# Altium PCB CAPACITOR_CHARGER.PcbDoc
Units mm, origin at the board's own origin, x right, y up, seen from the top; angles counter-clockwise.
Board outline 65 x 65 mm, 2 copper layers (Top Layer, Bottom Layer), stack 0.871 mm thick; 48 components, 36 nets, 148 pads, 23 vias.
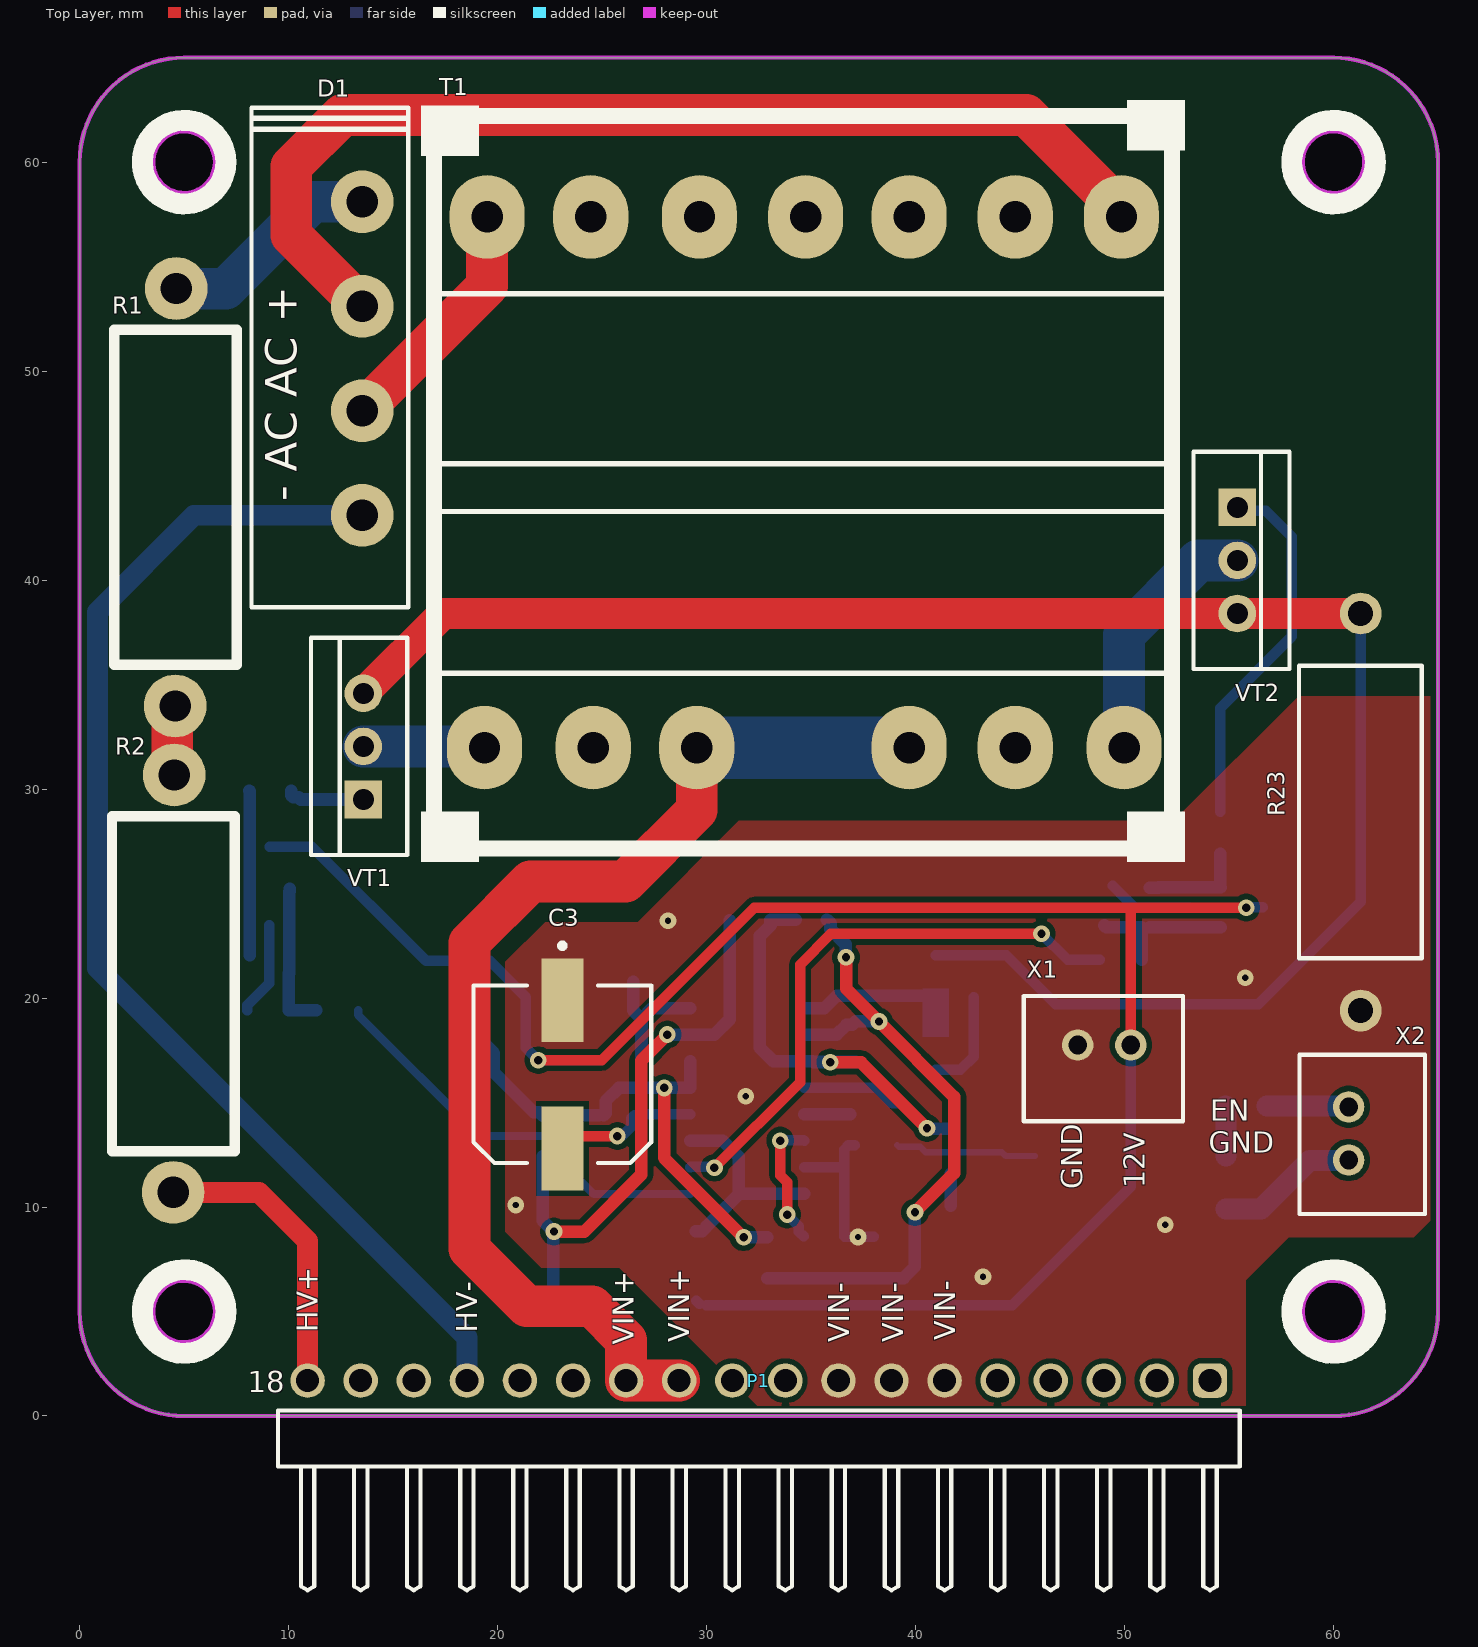
[diagram p0: Top Layer view]
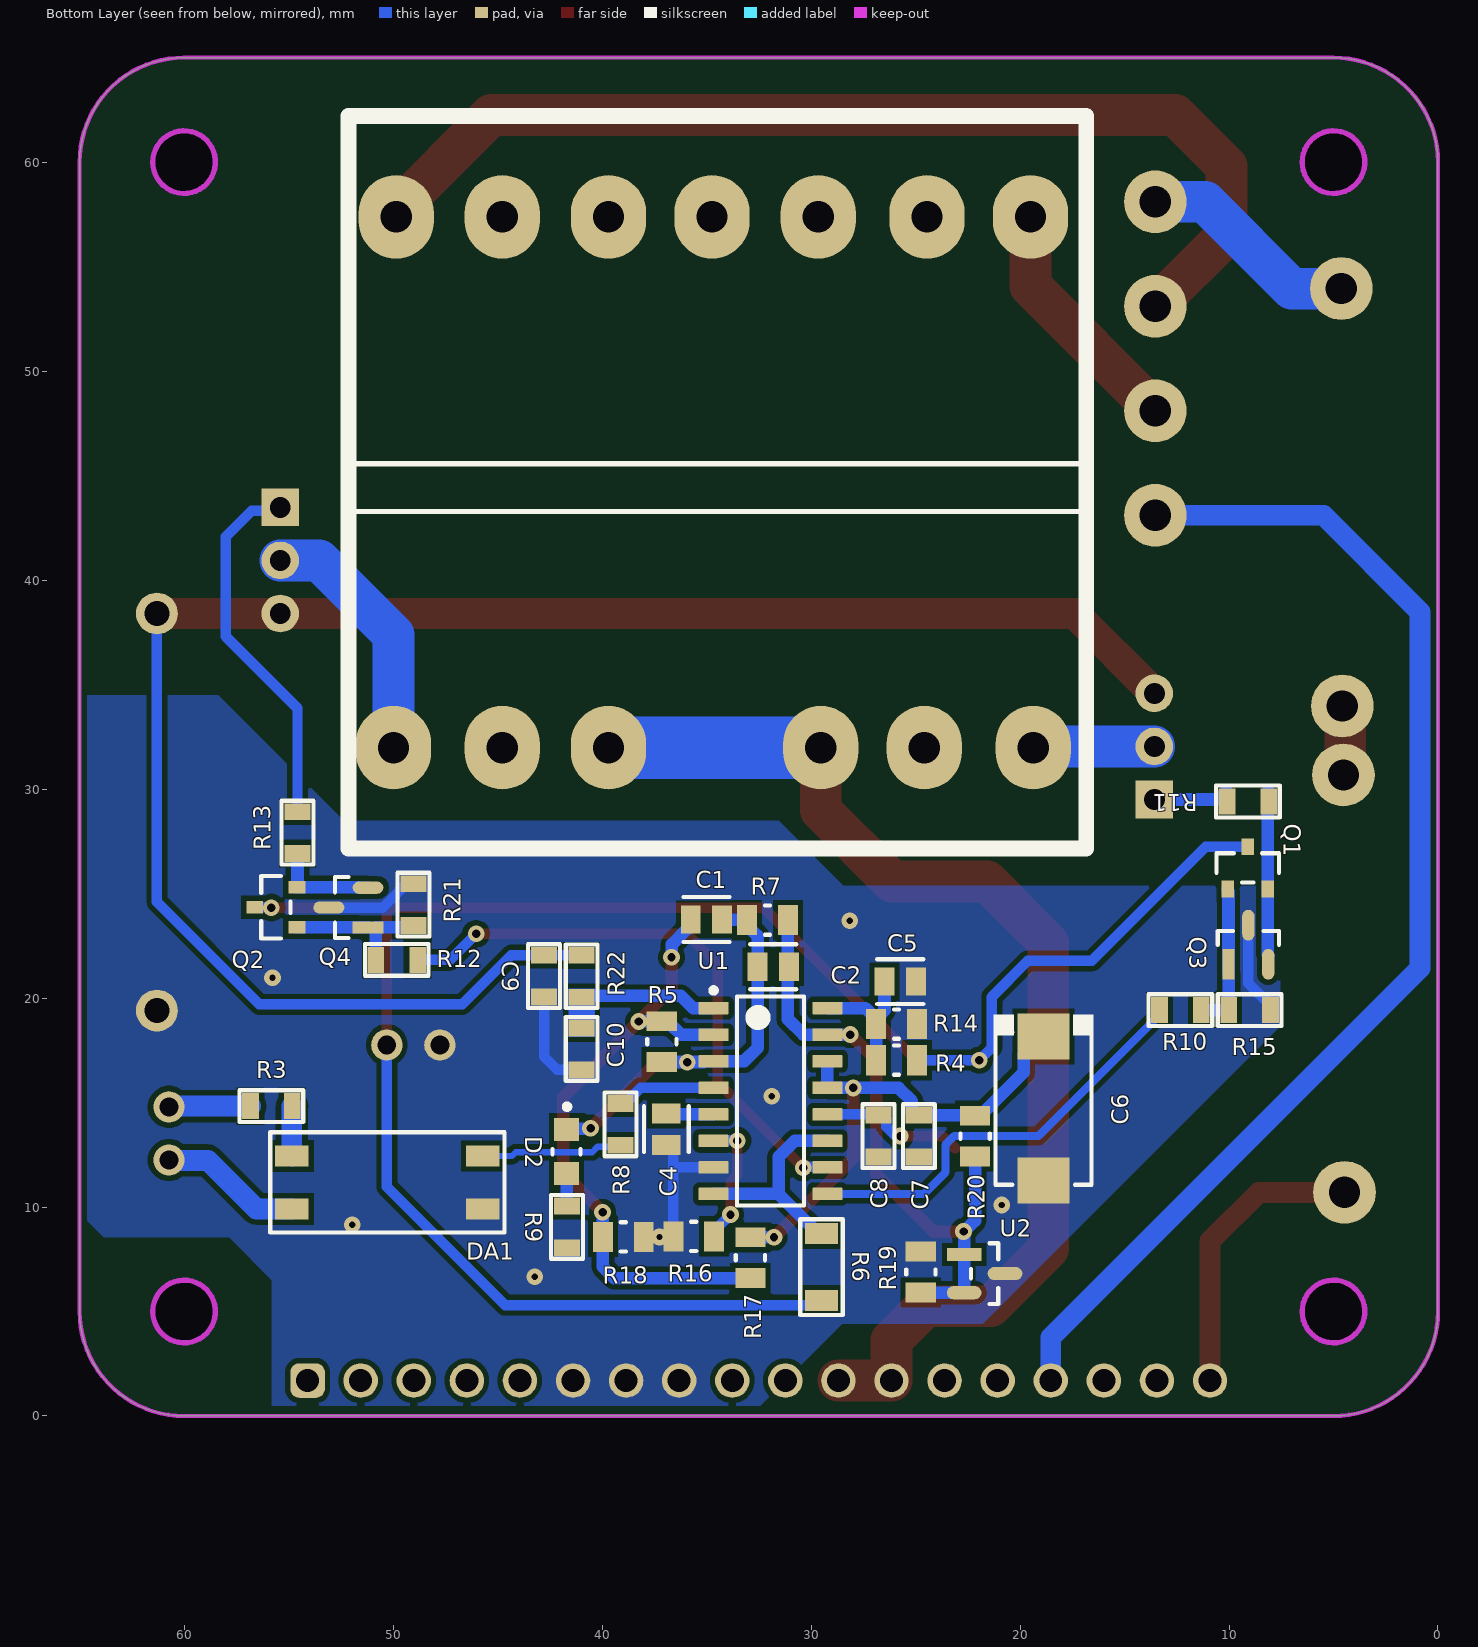
[diagram p1: Bottom Layer view, seen from below]
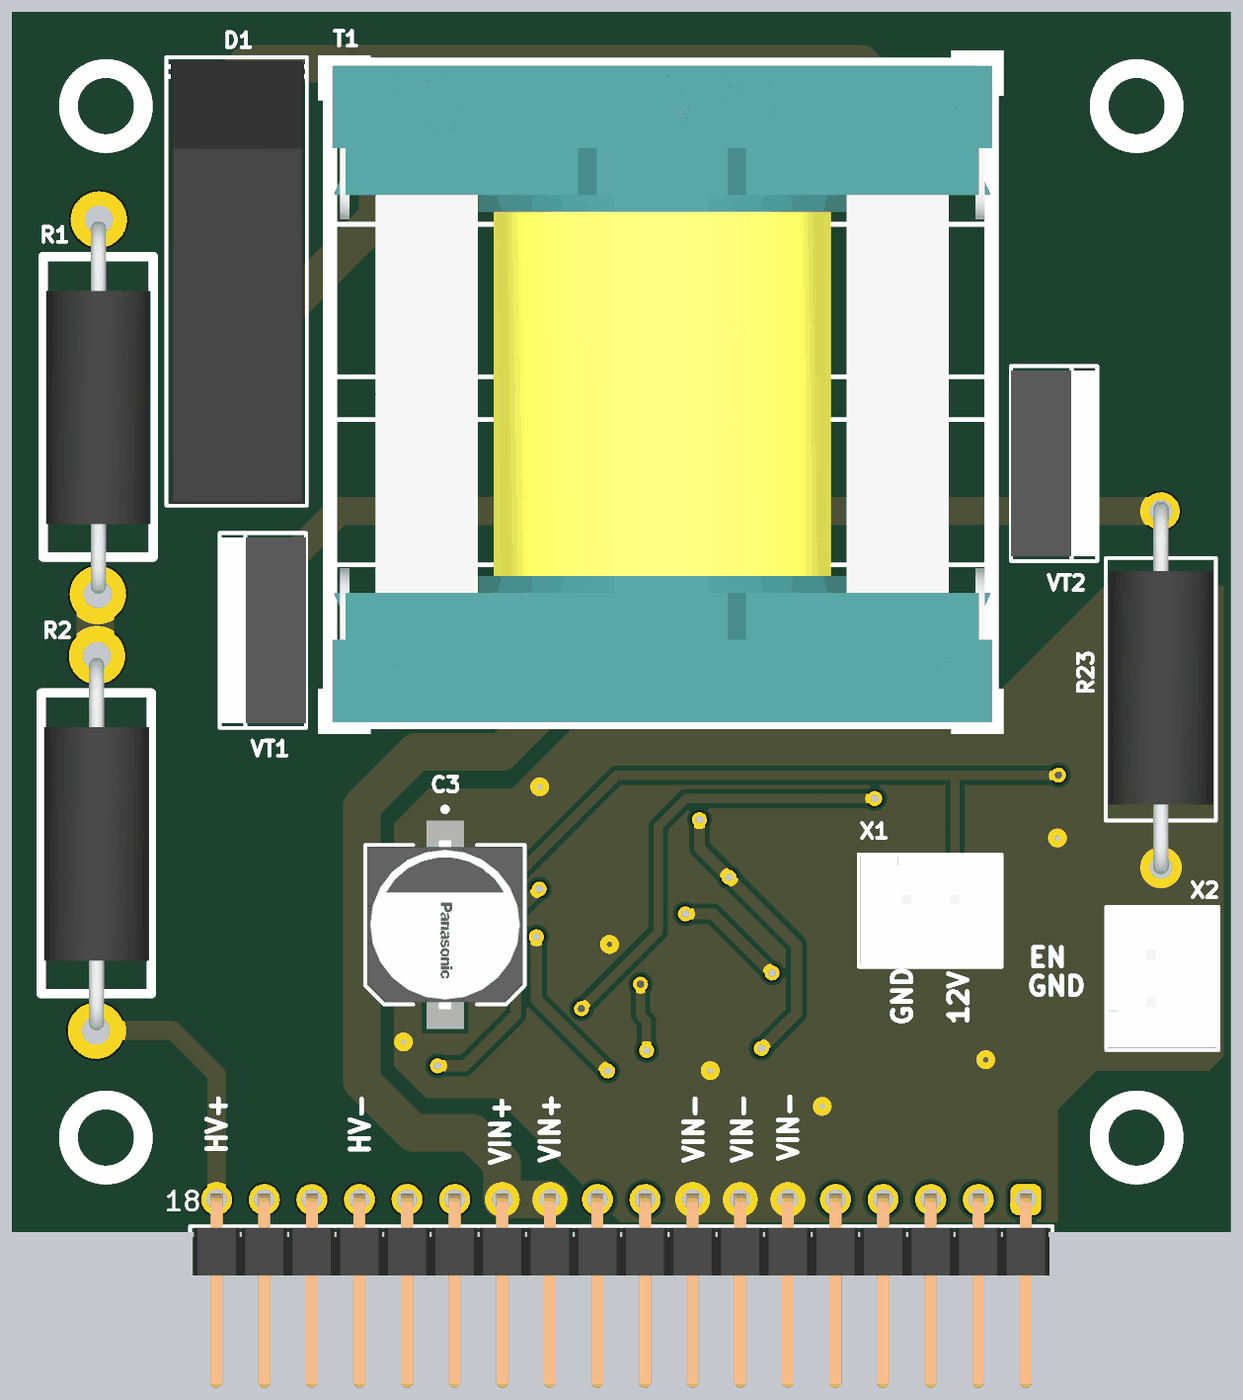
[diagram p2: 3D render of the assembled board from above, using the file's embedded part models]
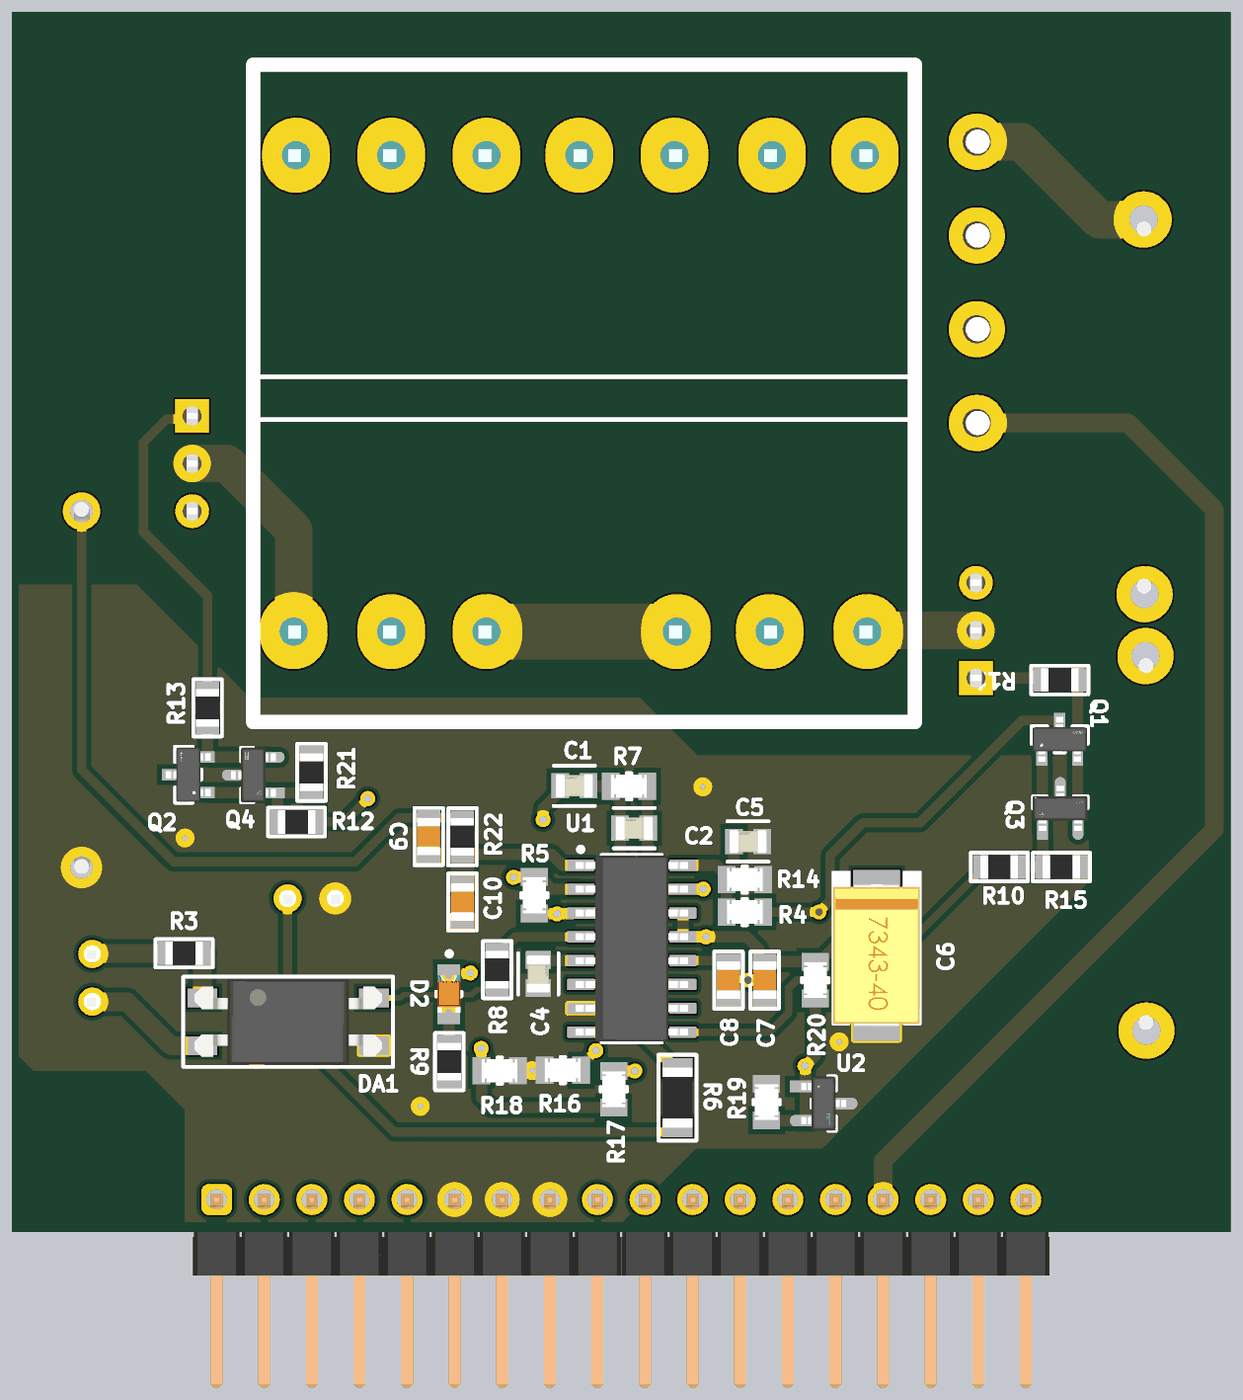
[diagram p3: 3D render of the assembled board from below, using the file's embedded part models]

## Layer stack, top to bottom
Top Solder: solder mask 0.0102, Solder Resist, Dk 3.5
Top Layer: signal copper 0.0356
Dielectric 1: dielectric 0.8, FR-4, Dk 4.8
Bottom Layer: signal copper 0.0356
Bottom Solder: solder mask 0.0102, Solder Resist, Dk 3.5

## Board outline
0,5 0,60.025 0,60 cw(c5,60) 5,65 60.025,65 60,65 cw(c60,60) 65,60 65,60.025 65,4.975 65,5 cw(c60,5) 60,0 5,0 cw(c5,5)
cut-out: 3.5,60 ccw(c5,60) 5,58.5 ccw(c5,60) 6.5,60 ccw(c5,60) 5,61.5 ccw(c5,60)
cut-out: 58.5,60 ccw(c60,60) 60,58.5 ccw(c60,60) 61.5,60 ccw(c60,60) 60,61.5 ccw(c60,60)
cut-out: 58.5,5 ccw(c60,5) 60,3.5 ccw(c60,5) 61.5,5 ccw(c60,5) 60,6.5 ccw(c60,5)
cut-out: 3.5,5 ccw(c5,5) 5,3.5 ccw(c5,5) 6.5,5 ccw(c5,5) 5,6.5 ccw(c5,5)

## Design rules (kind name [scope] priority, off if disabled: settings)
Clearance [All] p1: gap=0.254 ignorepadtopadclearanceinfootprint=FALSE except(0: Arc-Hole Track-Hole SMDPad-Hole THPad-Hole Via-Hole Fill-Hole Poly-Hole Region-Hole Text-Hole)
Height [All] p1: minheight=0 maxheight=101.6 prefheight=12.7
PlaneConnect [All] p1: planeconnectstyle=Direct reliefexpansion=0.508 reliefentries=4 reliefconductorwidth=0.254 reliefairgap=0.254
PolygonConnect [All] p1: connectstyle=Direct reliefconductorwidth=0.254 reliefentries=4 polygonreliefangle="90 Angle" airgapwidth=0.254
RoutingVias [All] p1: holewidth=0.711 width=1.27 viastyle="Through Hole" minholewidth=0.2 minwidth=0.5 maxholewidth=0.711 maxwidth=1.27
SolderMaskExpansion [All] p1: expansion=0.102 istentingtop=FALSE
Width [All] p1: maxlimit=3 minlimit=0.254 preferedwidth=1 minimp=50.000000 maximp=50.000000 favimp=50.000000
28 further rules are at their usual default settings.

## Components (designator, comment, footprint, x,y, rotation, side; value= is the part's Value field where it differs from the comment)
C1 "100nF" FP-C0805C-DN-MFG 35.006,23.757 r180 bottom value="10,000 pF"
C2 "100nF" FP-C0805C-DN-MFG 31.805,21.496 r180 bottom value="10,000 pF"
C3 "470uF_25V" CAP_SMD_Size_G 23.1,16.35 r270 top
C4 "C0805C102K5RACTU" FP-C0805C-DN-MFG 36.925,13.725 r270 bottom value="1,000 pF"
C5 "100nF" FP-C0805C-DN-MFG 25.735,20.785 r180 bottom value="10,000 pF"
C6 "100uF" CAP-TAN-D 18.877,14.714 r270 bottom
C7 "0.1uF" CAP-0805 24.846,13.393 r90 bottom
C8 "0.01uF" CAP-0805 26.776,13.393 r90 bottom
C9 "0.47uF" CAP-0805 42.775,21.05 r90 bottom
C10 "470 pF" CAP-0805 40.977,17.563 r90 bottom
D1 "RS40X" RS40X 12.025,50.6 r90 top locked
D2 "151031YS06000" LED_RED 41.7,12.65 r270 bottom
DA1 "PC817" 4-SMD 50.275,11.175 r180 bottom
P1 "61301811021" 61301811021 32.5,-1.075 r0 top locked
Q1 "SS8050-G" FP-SS8050-G-MFG 9.101,26.23 r90 bottom
Q2 "SS8050-G" FP-SS8050-G-MFG 55.609,24.346 r0 bottom
Q3 "MMSS8550-H-TP" FP-SOT-23-IPC_B 9.075,22.551 r90 bottom
Q4 "MMSS8550-H-TP" FP-SOT-23-IPC_B 52.135,24.33 r0 bottom
R1 "100" RES-2W#1 4.6,43.85 r90 top
R2 "100" RES-2W#1 4.5,20.575 r90 top
R3 "1K" RES-0805 55.825,14.825 r180 bottom
R4 "10K" FP-CRCW0805-e3-MFG 25.912,17.026 r0 bottom
R5 "200K" FP-CRCW0805-e3-MFG 37.139,17.915 r270 bottom
R6 "10 OMH" RES-1206 29.5,7.125 r270 bottom
R7 "200K" FP-CRCW0805-e3-MFG 32.085,23.731 r180 bottom
R8 "10K" RES-0805 39.12,13.952 r90 bottom
R9 "220" RES-0805 41.675,9.05 r90 bottom
R10 "470" RES-0805 12.326,19.423 r0 bottom
R11 "10" RES-0805 9.1,29.4 r0 bottom
R12 "470" RES-0805 49.825,21.825 r180 bottom
R13 "10" RES-0805 54.574,27.912 r90 bottom
R14 "2K" FP-CRCW0805-e3-MFG 25.912,18.753 r180 bottom
R15 "2K" RES-0805 9.015,19.423 r0 bottom
R16 "12K" FP-CRCW0805-e3-MFG 35.615,8.593 r0 bottom
R17 "2K" FP-CRCW0805-e3-MFG 32.9,7.575 r90 bottom
R18 "2K" FP-CRCW0805-e3-MFG 38.984,8.567 r180 bottom
R19 "2K" FP-CRCW0805-e3-MFG 24.744,6.891 r90 bottom
R20 "2K" FP-CRCW0805-e3-MFG 22.153,13.393 r90 bottom
R21 "2K" RES-0805 49.025,24.475 r270 bottom locked
R22 "1K" RES-0805 40.977,21.043 r90 bottom
R23 "" RES-2W#2 61.3,28.9 r90 top locked
T1 "ETD29" TRANS_ETD_29 35.375,44.425 r90 top
U1 "TL494CDR" D0016A_N 31.939,15.07 r180 bottom locked
U2 "TL431" TL431_SOT-23-3(A) 21.696,6.815 r180 bottom
VT1 "MOSFET-N-GDS" TO-220-3 13.575,32.04 r90 top locked
VT2 "MOSFET-N-GDS" TO-220-3 55.4,40.94 r270 top
X1 "CONN-2-PIN" XH2- 50.3,17.75 r180 top
X2 "CONN-2-PIN" XH2- 60.725,14.79 r270 top locked

## Footprints (in the part's own frame and the unit in brackets; to place one, negate y for a bottom-side part, rotate by r counter-clockwise, add the part's x,y. Pads: shape width x height; smd on the part's side, far side on the other; paste and mask are expansions set on the pad)
4-SMD [mm]
  rect 1.6x1 smd: 1(-4.575,1.27) 2(-4.575,-1.27) 3(4.575,-1.27) 4(4.575,1.27)
  silkscreen extent -5.6,-2.4 5.6,2.4, body extent -5,-2.29 5,2.29, height 3.85
61301811021 [mm] "Pin Header, pitch 2.54 mm, THT, Angled, single row, 18p"
  rrect50% 1.65x1.65 hole 1.1: 1(21.59,2.77)
  round 1.65 hole 1.1: 2(19.05,2.77) 3(16.51,2.77) 4(13.97,2.77) 5(11.43,2.77) 6(8.89,2.77) 7(6.35,2.77) 8(3.81,2.77) 9(1.27,2.77) 10(-1.27,2.77) 11(-3.81,2.77) 12(-6.35,2.77) 13(-8.89,2.77) 14(-11.43,2.77) 15(-13.97,2.77) 16(-16.51,2.77) 17(-19.05,2.77) 18(-21.59,2.77)
  silkscreen extent -23.01,-7.27 23.01,1.35, body extent -22.86,-7.27 22.86,3.09, height 2.58
CAP-0805 [mm]
  rect 0.8x1.25 smd mask+0.015: 1(-1,0) 2(1,0)
  silkscreen extent -1.52,-0.76 1.52,0.76, body extent -1,-0.62 1,0.63, height 0.8
CAP-TAN-D [mm]
  rect 2.2x2.5 smd: 1(-3.45,0) 2(3.45,0)
  silkscreen extent -4.5,-2.4 3.65,2.4, body extent -3.8,-2.3 3.8,2.3, height 4
CAP_SMD_Size_G [mm]
  rect 4x2 smd paste+0 mask+0: 1(3.55,0) 2(-3.55,0)
  silkscreen extent -6.27,-4.25 4.25,4.25, body extent -5.8,-4.5 5.8,4.5, height 0.25
D0016A_N [mm] "SOIC, 16-Leads, Body 10x4mm, Pitch 1.27mm, IPC Medium Density"
  rrect17% 1.45x0.6 smd: 1(-2.725,4.445) 2(-2.725,3.175) 3(-2.725,1.905) 4(-2.725,0.635) 5(-2.725,-0.635) 6(-2.725,-1.905) 7(-2.725,-3.175) 8(-2.725,-4.445) 9(2.725,-4.445) 10(2.725,-3.175) 11(2.725,-1.905) 12(2.725,-0.635) 13(2.725,0.635) 14(2.725,1.905) 15(2.725,3.175) 16(2.725,4.445)
  silkscreen extent -2.85,-5 1.6,5.42, body extent -3,-4.95 3,4.95, height 1.59
FP-C0805C-DN-MFG [mm]
  rect 0.95x1.35 smd paste+0 mask+0: 1(-0.75,0) 2(0.75,0)
  silkscreen extent -1.1,-1.07 1.1,1.07, body extent -1,-0.63 1,0.63, height 0.88
FP-CRCW0805-e3-MFG [mm]
  rect 0.95x1.45 smd paste+0 mask+0: 1(-0.975,0) 2(0.975,0)
  silkscreen extent -0.13,-0.7 0.13,0.7, body extent -1,-0.63 1,0.63, height 0.5
FP-SOT-23-IPC_B [mm]
  rect 1.474x0.585 smd paste+0 mask+0: 1(-0.935,0.95)
  rrect100% 1.474x0.585 smd paste+0 mask+0: 2(-0.935,-0.95) 3(0.935,0)
  silkscreen extent 0,-1.46 0.65,1.46, body extent -1.2,-1.46 1.2,1.46, height 1.25
FP-SS8050-G-MFG [mm]
  rect 0.8x0.6 smd paste+0 mask+0: 1(-1.01,0.95) 2(-1.01,-0.95) 3(1.01,0)
  silkscreen extent -0.7,-1.5 0.7,1.5, body extent -1.21,-1.45 1.21,1.45, height 1.15
LED_RED [mm]
  rect 1.1x1.2 smd paste+0 mask+0: 1(-1.05,0) 2(1.05,0)
  silkscreen extent -2.27,-0.67 0.13,0.67, body extent -1,-0.63 1,0.63, height 0.8
RES-2W#1 [mm]
  round 3 hole 1.5: 1(-9.875,0.025) 2(10.1,-0.025)
  silkscreen extent -7.9,-2.93 8.13,2.95, body extent -9.86,-2.79 10.01,2.79, height 5.59
RES-2W#2 [mm]
  round 2 hole 1.2: 1(-9.5,0) 2(9.5,0)
  silkscreen extent -7,-2.93 7,2.95, body extent -9.86,-2.78 10.01,2.78, height 5.59
RES-0805 [mm]
  rect 0.8x1.25 smd mask+0.015: 1(-1,0) 2(1,0)
  silkscreen extent -1.52,-0.76 1.52,0.76, body extent -1,-0.62 1,0.63, height 0.6
RES-1206 [mm]
  rect 1x1.6 smd: 1(-1.6,0) 2(1.6,0)
  silkscreen extent -2.29,-1.02 2.29,1.02, body extent -1.6,-0.8 1.6,0.8, height 0.6
RS40X [mm]
  round 3 hole 1.5: 1(-7.5,-1.5) 2(-2.5,-1.5) 3(2.5,-1.5) 4(7.5,-1.5)
  silkscreen extent -11.9,-3.7 12,3.8, body extent -11.81,-3.55 11.81,3.55, height 19.76
TL431_SOT-23-3(A) [mm]
  rect 1.659x0.627 smd paste+0 mask+0: 1(-0.977,0.915)
  rrect100% 1.659x0.627 smd paste+0 mask+0: 2(-0.977,-0.915) 3(0.977,0)
  silkscreen extent -0.65,-1.45 0.65,1.45, body extent -1.2,-1.45 1.2,1.45, height 1.1
TO-220-3 [mm]
  rect 1.8x1.8 hole 1: 1(-2.54,0)
  round 1.8 hole 1: 2(0,0) 3(2.54,0)
  silkscreen extent -5.2,-2.1 5.2,2.5, body extent -4.95,-2.1 4.95,2.4, height 23.8
TRANS_ETD_29 [mm]
  oval 4x3.6 hole 1.5: 1(-12.446,16.002) 2(-12.446,10.795) 3(-12.446,5.842) 4(-12.446,-4.318) 5(-12.446,-9.398) 6(-12.446,-14.605) 7(12.954,-14.478) 8(12.954,-9.398) 9(12.954,-4.318) 10(12.954,0.635) 11(12.954,5.715) 12(12.954,10.922) 13(12.954,15.875)
  silkscreen extent -17.91,-17.53 18.54,19.05, body extent -17.27,-16.91 17.73,18.29, height 24.81
XH2- [mm]
  round 1.5 hole 0.9: 1(0,0) 2(2.54,0)
  silkscreen extent -2.5,-2.35 5.13,3.65, body extent -2.4,-2.25 5,3.55, height 7

## Part data
C1 C2 C5: library part CMP-2007-00254-2, "CAP CER 10000PF 50V X7R 0805", Capacitance="10,000 pF", Manufacturer=KEMET, Manufacturer Part Number=C0805C103J5RACTU, Package=C0805C-DN, Temperature="-55°C to +125°C", Temperature Characteristic=X7R, Temperature Coefficient=30ppm/°C, Temperature Range High=+125°C, Temperature Range Low=-55°C, Tolerance=0.05, Voltage Rating="50 V", Automotive=No, Category=Cap, ComponentLink2Description=Datasheet, ComponentLink2URL=https://content.kemet.com/datasheets/KEM_C1003_C0G_SMD.pdf, Device Class L1="Passive Components", Device Class L2=Capacitors, Device Class L3="Ceramic Capacitors", Digikey Description="CAP CER 10000PF 50V X7R 0805", Height=0.88mm, Ipc Land Pattern Name=CAPC200125X78, Lead Free=Yes, Material=Ceramic, Mouser Description="Capacitor; Ceramic; Cap 0.01uF; Tol 5%; Vol-Rtg 50 V; SMT; Case 0805; X7R; TR", Octopart=https://octopart.com/c0805c103j5ractu-kemet-133473, RoHS=TRUE
C3 C6: library part CAP-POLAR
C4: library part CMP-2007-01097-2, "CAP CER 1000PF 50V X7R 0805", Capacitance="1,000 pF", Manufacturer=KEMET, Package=C0805C-DN, Temperature="-55°C to +125°C", Temperature Characteristic=X7R, Temperature Coefficient=30ppm/°C, Temperature Range High=+125°C, Temperature Range Low=-55°C, Tolerance=0.1, Voltage Rating="50 V", Automotive=No, Category=Cap, ComponentLink2Description=Datasheet, ComponentLink2URL=https://content.kemet.com/datasheets/KEM_C1003_C0G_SMD.pdf, Device Class L1="Passive Components", Device Class L2=Capacitors, Device Class L3="Ceramic Capacitors", Digikey Description="CAP CER 1000PF 50V X7R 0805", Height=0.88mm, Ipc Land Pattern Name=CAPC200125X78, Lead Free=Yes, Manufacturer Part Number=C0805C102K5RACTU, Material=Ceramic, Mouser Description="Cap Ceramic 0.001uF 50V X7R 10% SMD 0805 125C Plastic T/R", Octopart=https://octopart.com/c0805c102k5ractu-kemet-93010, RoHS=TRUE
C7 C8 C9 C10: library part CAP-NON-POLAR
D2: library part LED, "WURTH ELEKTRONIK - 151031YS06000 - LED, Yellow, Through Hole, T-1 (3mm), 30 mA, 2 V, 590 nm", Manufacturer_Name="Wurth Elektronik", Mouser Part Number=710-151031YS06000, Datasheet Link=https://katalog.we-online.de/led/datasheet/151031YS06000.pdf, Geometry.Height=5.5mm, Manufacturer_Part_Number=151031YS06000, Mouser Price/Stock=https://www.mouser.co.uk/ProductDetail/Wurth-Elektronik/151031YS06000?qs=LlUlMxKIyB3xSYYW%252BcuBiQ%3D%3D
P1: "WR-PHD Pin Header, THT, Angled, pitch 2.54mm, 1 Row, 18P", Contact Resistance=20mΩ, Manufacturer="Wurth Elektronik", Operating Temperature Max=105°C, Operating Temperature Min=-40°C, Rated Current=3A, Withstanding Voltage=500V, Working Voltage=250V, Category="Board-to-Board Connectors", ComponentLink1Description="Website Link", ComponentLink1URL=https://www.we-online.com/redexpert/article/61301811021?ad, ComponentLink2Description="Datasheet Link", ComponentLink2URL=https://www.we-online.com/redexpert/spec/61301811021?ad, Gender="Pin Header", Manufacturer Part Number=61301811021, Match Code=WR-PHD, Mount="Through Hole", Number of Pins=18, Number of Rows=1, Orientation=Angled, Packaging=Bag, Pitch=2.54mm
Q1 Q2: library part CMP-20235-000001-1, "NPN TRANSISTOR 1.5A 40V SOT-23 R", Case/Package=TO-236-3, Collector Emitter Breakdown Voltage=25V, Collector Emitter Voltage (VCEO)=400mV, Max Collector Current=1.5A, Max Power Dissipation=300mW, Transition Frequency=100MHz, Max Breakdown Voltage=25V, Mount="Surface Mount", Packaging="Tape and Reel", RoHS Compliant=Yes
Q3 Q4: library part CMP-56214-000002-1, "TRANS PNP 25V 1.5A SOT23", Case/Package=SOT-23, Collector Base Voltage (VCBO)=40V, Collector Emitter Breakdown Voltage=25V, Collector Emitter Saturation Voltage=500mV, Emitter Base Voltage (VEBO)=1.6V, Max Collector Current=1.5A, Max Operating Temperature=150°C, Max Power Dissipation=625mW, Min Operating Temperature=-55°C, Package Quantity=1, Transition Frequency=100MHz, Collector Emitter Voltage (VCEO)=500mV, Element Configuration=Single, Gain Bandwidth Product=100MHz, hFE Min=40, Lead Free="Lead Free", Max Breakdown Voltage=25V, Mount="Surface Mount", Packaging="Tape and Reel", Polarity=PNP
R1 R2 R3 R6 R8 R9 R10 R11 R12 R13 R15 R21 R22 R23: library part RES-CONST
R4 R5 R7 R14 R17 R19 R20: library part CMP-2001-04908-2, "RES Thick Film, 2kΩ, 1%, 0.125W, 100ppm/°C, 0805", Case Code (Imperial)=0805, Case Code (Metric)=2012, Max Operating Temperature=155°C, Min Operating Temperature=-55°C, Package Quantity=5000, Power Rating=125mW, Resistance=10kR, Temperature Coefficient=100ppm/°C, Tolerance=1%, Voltage Rating=150V, Case/Package=0805, Composition="Thick Film", Contact Plating=Tin, Depth=1.25mm, Height=0.45mm, Lead Free="Lead Free", Length=2mm, Military Standard=Not, Packaging="Tape and Reel", Radiation Hardening=No, Termination=SMD/SMT, Voltage Rating (DC)=150V, Weight=0.000194oz, Width=1.25mm
R16: library part CMP-2001-04908-2, "RES Thick Film, 12kΩ, 1%, 0.125W, 100ppm/°C, 0805", Case Code (Imperial)=0805, Case Code (Metric)=2012, Max Operating Temperature=155°C, Min Operating Temperature=-55°C, Package Quantity=5000, Power Rating=125mW, Resistance=10kR, Temperature Coefficient=100ppm/°C, Tolerance=1%, Voltage Rating=150V, Case/Package=0805, Composition="Thick Film", Contact Plating=Tin, Depth=1.25mm, Height=0.45mm, Lead Free="Lead Free", Length=2mm, Military Standard=Not, Packaging="Tape and Reel", Radiation Hardening=No, Termination=SMD/SMT, Voltage Rating (DC)=150V, Weight=0.000194oz, Width=1.25mm
R18: library part CMP-2001-04908-2, "RES Thick Film, 82kΩ, 1%, 0.125W, 100ppm/°C, 0805", Case Code (Imperial)=0805, Case Code (Metric)=2012, Max Operating Temperature=155°C, Min Operating Temperature=-55°C, Package Quantity=5000, Power Rating=125mW, Resistance=10kR, Temperature Coefficient=100ppm/°C, Tolerance=1%, Voltage Rating=150V, Case/Package=0805, Composition="Thick Film", Contact Plating=Tin, Depth=1.25mm, Height=0.45mm, Lead Free="Lead Free", Length=2mm, Military Standard=Not, Packaging="Tape and Reel", Radiation Hardening=No, Termination=SMD/SMT, Voltage Rating (DC)=150V, Weight=0.000194oz, Width=1.25mm
T1: library part Trans_ETD59
U1: library part CMP-0319-00950-2, "Pulse-Width-Modulation Control Circuit with Voltage Control, 45 % Duty Cycle, 0 to +70 degC, 16-pin SOIC (D), Green (RoHS & no Sb/Br)", Frequency(Max)(kHz)=300, Manufacturer="Texas Instruments", Rating=Military, Code_JEDEC=MS-012AC, ComponentLink1Description=Datasheet, ComponentLink1URL=http://www.ti.com/general/docs/lit/getliterature.tsp?genericPartNumber=TL494&fileType=pdf, Control Method=Voltage, DatasheetVersion=SLVS074E, Duty Cycle(Max)(%)=45, Eco-Plan="Green (RoHS & no Sb/Br)", Mounting Technology="Surface Mount", PackageDescription="16-Pin Plastic Small Outline Integrated Circuit, 9.9 x 3.9 mm, Pitch 1.27 mm Pitch", PackageReference=D0016A, PackageVersion="revM, Jun-2011", PartNumber=TL494CDR, Regulated Outputs(#)=2, SubFamily="PWM Controller", Topology="Boost, Buck, Flyback, Forward, Full-Bridge, Half-Bridge, Push-Pull"
U2: library part TL431_SOT-23-3, "TL431_SOT-23-3"

## Via types
v1: diameter 0.8, hole 0.4, Top Layer to Bottom Layer, 16 vias
v2: diameter 0.8, hole 0.3, Top Layer to Bottom Layer, 7 vias

## Nets (pads, with @x,y where several pads share a name; then routed paths per layer and width w, separated by ;. In a path a pad name is that pad's centre, name@x,y a point inside that pad or via, vN(x,y) a via of type N, cw(c..) or ccw(c..) an arc to the next point about the centre after c; other vN are vias at no path point)
12V: Q1.3 Q2.3 R4.1 R6.2 X1.1 | length 95.4
  Top Layer w0.5: v1(21.949,17.026) 24.976,17.026 32.275,24.325 50.3,24.325 ; X1.1 50.3,24.325 ; v1(55.825,24.325) 50.3,24.325
  Bottom Layer w0.5: Q1.3 11.11,27.24 16.575,21.775 19.625,21.775 21.35,20.05 21.35,17.625 v1(21.949,17.026) R4.1 ; R6.2@29.512,5.512 R6.2@29.647,5.378 ; R6.2@29.975,5.3 44.625,5.3 50.3,10.975 X1.1 ; v1(55.825,24.325) 55.835,24.335 56.609,24.335 Q2.3
54V: P1.11 P1.12 T1.3 T1.4 | length 55.1
  Top Layer w2: P1.11 P1.12 26.15,3.625 24.525,5.25 21.4,5.25 18.65,8 18.65,22.65 21.575,25.575 26.125,25.575 29.533,28.983 T1.3
  Bottom Layer w3: T1.3 T1.4
AC_HV_1: D1.2 T1.13 | length 11.8
  Top Layer w2: D1.2 19.5,54.075 T1.13
AC_HV_2: D1.3 T1.7 | length 50.9
  Top Layer w2: D1.3@13.406,53.219 10.125,56.5 10.125,59.8 12.575,62.25 45.3,62.25 49.853,57.697 T1.7
BAT_GND: C3.2 C4.2 C5.2 C6.2 C7.1 C8.1 C9.1 C10.1 DA1.3 P1.6 P1.7 P1.8 Q3.3 Q4.3 R9.1 R14.2 R15.1 R16.2 R18.2 R19.2 R21.1 R23.1 U1.7 U2.3 X1.2 | length 21.6
  Bottom Layer w0.5: R15.1 8.015,19.648 9.075,20.708 Q3.3 ; U1.7 36.56,11.895 36.59,11.925 ; C4.2@37.088,12.948 36.788,12.948 36.59,12.75 36.59,11.925 ; R18.2 37.996,8.58 36.603,8.58 R16.2 36.59,11.925 ; C10.1 42.138,16.563 42.775,17.2 C9.1 ; R21.1@49.443,25.381 50.493,24.33 Q4.3
  other v2: 43.223,6.663 37.247,8.568 51.95,9.15 20.875,10.1 31.875,15.3 55.775,20.975 28.15,23.7
DTC: DA1.4 R8.1 | length 6.8
  Bottom Layer w0.3: R8.1 39.193,12.88 40.22,12.88 40.475,12.625 44.125,12.625 44.305,12.445 DA1.4
HV_DC: P1.18 R2.1 | length 14.1
  Top Layer w1: R2.1 8.575,10.7 10.91,8.365 P1.18
HV_GND: D1.1 P1.15 | length 58.7
  Bottom Layer w1: D1.1 5.475,43.1 0.854,38.479 0.854,21.424 18.53,3.748 P1.15
NetC1_1: C1.1 R5.1 R17.1 R18.1 U1.2 | length 31.1
  Top Layer w0.6: v1(36.675,21.95) 36.675,20.45 v1(38.25,18.875) 41.85,15.275 41.85,11.625 v1(39.975,9.75)
  Bottom Layer w0.6: R17.1 39.425,6.6 39.959,7.134 R18.1 39.967,8.576 39.967,9.742 v1(39.975,9.75) ; U1.2 36.22,18.245 36.69,18.715 36.964,18.715 37.132,18.882 38.243,18.882 v1(38.25,18.875) ; C1.1 35.931,23.582 35.931,23.294 36.656,22.569 36.656,21.969 v1(36.675,21.95)
NetC1_2: C1.2 C2.1 D2.1 R5.2 R7.1 U1.3 | length 19.4
  Top Layer w0.6: v1(35.925,16.925) 37.4,16.925 v1@40.512,13.813
  Bottom Layer w0.6: C1.2 34.243,23.744 33.072,23.744 R7.1 33.06,23.481 32.555,22.977 C2.1 32.555,17.62 33.2,16.975 U1.3 35.089,16.975 35.125,16.94 R5.2 ; v1(40.55,13.775) 40.587,13.738 41.662,13.738 D2.1
NetC2_2: C2.2 R7.2 R19.1 R20.1 U1.15 U2.1 U2.2 | length 29.4
  Top Layer w0.6: v1(22.7,8.825) 24.15,8.825 26.875,11.55 26.875,17 v1(28.125,18.25)
  Bottom Layer w0.6: R20.1 22.153,9.345 22.673,8.825 U2.1 U2.2 24.728,5.9 R19.1 ; v1(28.125,18.25) 28.13,18.245 U1.15 30.37,18.245 31.11,18.985 R7.2
NetC3_1: C3.1 C8.2 U1.12 | length 7
  Top Layer w0.5: C3.1 23.693,13.393 v1(25.731,13.393)
  Bottom Layer w0.5: v1(25.731,13.393) 25.788,13.451 26.016,13.451 26.401,13.836 26.401,14.243 26.551,14.393 C8.2 26.818,14.435 U1.12
NetC4_1: C4.1 U1.5 | length 2.2
  Bottom Layer w0.6: U1.5 C4.1@36.885,14.435
NetC5_1: C5.1 R4.2 R14.1 U1.16 | length 6.5
  Bottom Layer w0.6: C5.1 26.485,19.406 R14.1@26.887,19.003 ; R4.2 R14.1@26.887,19.003 ; U1.16 27.399,19.515 R14.1@26.887,19.003
NetC6_1: C6.1 C7.2 R17.2 R20.2 U1.13 U1.14 | length 24.2
  Top Layer w0.6: v1(27.975,15.7) 27.975,12.35 v1(31.775,8.55)
  Bottom Layer w0.6: C6.1 19.027,18.164 19.827,17.364 19.827,16.445 21.728,14.543 21.978,14.543 R20.2 22.178,14.393 C7.2 ; C7.2@25.075,14.398 25.171,14.493 25.171,15.071 25.805,15.705 U1.13 U1.14 ; v1(31.775,8.55) R17.2
NetC9_2: C9.2 R22.2 R23.2 VT1.3 VT2.3 | length 86.4
  Top Layer w1.5: VT1.3 17.395,38.4 VT2.3 R23.2
  Bottom Layer w0.5: R22.2 40.985,22.05 C9.2 44.35,22.05 46.7,19.7 56.4,19.7 61.3,24.6 R23.2
NetC10_2: C10.2 R22.1 U1.1 | length 6.6
  Bottom Layer w0.6: U1.1 35.64,19.515 36.225,20.1 40.92,20.1 R22.1
NetD1_4: D1.4 R1.2 | length 10.9
  Bottom Layer w2: R1.2@4.344,53.9 4.389,53.944 6.994,53.944 11.15,58.1 D1.4
NetD2_2: D2.2 R9.2 | length 1.6
  Bottom Layer w0.6: R9.2 41.688,10.062 41.688,11.588 D2.2
NetDA1_1: DA1.1 R3.2 | length 2.4
  Bottom Layer w1: R3.2 54.85,14.8 DA1.1
NetDA1_2: DA1.2 X2.2 | length 6.8
  Bottom Layer w1: DA1.2 56.53,9.905 58.859,12.234 60.709,12.234 X2.2
NetQ1_1: Q1.1 Q3.1 R10.1 R15.2 | length 7.1
  Bottom Layer w0.6: Q1.1 10.051,25.12 10.025,25.094 Q3.1 10.025,21.187 10.015,21.176 R15.2 R10.1
NetQ1_2: Q1.2 Q3.2 R11.1 | length 7.9
  Bottom Layer w0.6: R11.1@8.125,29.925 8.151,29.899 Q1.2 8.151,22.071 Q3.2@8.133,22.053
NetQ2_1: Q2.1 Q4.1 R12.1 R21.2 | length 6.8
  Bottom Layer w0.6: R21.2 49.119,23.38 Q4.1@50.825,23.38 ; R12.1 Q4.1@50.825,23.373 ; Q4.1 51.629,23.38 51.645,23.396 Q2.1
NetQ2_2: Q2.2 Q4.2 R13.1 | length 5
  Bottom Layer w0.6: Q4.2 51.629,25.28 51.645,25.296 Q2.2@54.574,25.296 ; R13.1 Q2.2@54.574,25.296 ; Q2.2 Q2.2@54.574,25.296
NetR1_1: R1.1 R2.2 | length 3.4
  Top Layer w2: R2.2 4.436,30.764 4.436,33.836 R1.1
NetR3_1: R3.1 X2.1 | length 3.9
  Bottom Layer w1: R3.1 X2.1@60.69,14.825
NetR6_1: R6.1 U1.8 U1.11 | length 10.3
  Bottom Layer w0.6: U1.11 30.785,13.165 31.55,12.4 31.55,10.625 ; R6.1@29.494,8.847 29.794,8.847 29.994,9.047 29.994,9.069 31.55,10.625 ; U1.8 31.55,10.625
NetR8_2: R8.2 U1.4 | length 4.8
  Bottom Layer w0.5: U1.4 38.143,15.705 38.896,14.952 R8.2
NetR10_2: R10.2 U1.9 | length 20.4
  Bottom Layer w0.4: R10.2 13.326,19.197 19.124,13.4 23.15,13.4 23.568,12.982 23.568,11.657 24.6,10.625 U1.9
NetR11_2: R11.2 VT1.1 | length 3.8
  Bottom Layer w0.6: R11.2@10.125,29.925 10.125,29.7 10.225,29.6 10.477,29.6 10.576,29.5 VT1.1
NetR12_2: R12.2 U1.10 | length 28.1
  Top Layer w0.5: v1(30.375,11.875) 34.475,15.975 34.475,21.6 35.95,23.075 v1(46.025,23.075)
  Bottom Layer w0.5: U1.10 29.245,11.925 30.325,11.925 v1(30.375,11.875) ; v1(46.025,23.075) 47.275,21.825 R12.2
NetR13_2: R13.2 VT2.1 | length 17.8
  Bottom Layer w0.5: R13.2 54.574,33.874 58,37.3 58,42.075 56.757,43.318 55.562,43.318 VT2.1
NetR16_1: R16.1 U1.6 | length 6.2
  Top Layer w0.5: v1(33.525,13.175) 33.525,11.525 33.855,11.195 v1(33.855,9.637)
  Bottom Layer w0.5: v1(33.525,13.175) 33.55,13.2 34.629,13.2 U1.6 ; v1(33.855,9.637) 34.415,9.077 34.415,8.818 R16.1
NetT1_1: T1.1 VT1.2 | length 5.7
  Bottom Layer w2: VT1.2 T1.1@19.312,32.04
NetT1_6: T1.6 VT2.2 | length 12.3
  Bottom Layer w2: T1.6 49.98,37.38 53.54,40.94 VT2.2
pads on no net: P1.1 P1.2 P1.3 P1.4 P1.5 P1.9 P1.10 P1.13 P1.14 P1.16 P1.17 T1.2 T1.5 T1.8 T1.9 T1.10 T1.11 T1.12

## Polygon pours and split planes (outlines as drawn)
BAT_GND on Top Layer "NONET_L-01_P-001" (solid, pour order 3): 25.825,7.1 22.1,7.1 20.375,8.825 20.375,21.725 22.275,23.625 26.7,23.625 31.55,28.475 52.35,28.475 58.325,34.45 64.775,34.45 64.775,9.475 63.85,8.55 57.85,8.55 55.8,6.5 55.8,0.5 32.425,0.5
BAT_GND on Bottom Layer "NONET_L-01_P-001" (solid, pour order 2): 28.5,4.425 21.775,4.425 7.55,18.65 7.55,25.375 28.45,25.375 31.55,28.475 52.35,28.475 58.375,34.5 64.775,34.5 64.775,9.475 63.85,8.55 57.85,8.55 55.8,6.5 55.8,0.5 32.425,0.5

## Keep-outs
Keep-Out Layer:
  circle w0.254: c5,60 r1.5
  circle w0.254: c60,60 r1.5
  circle w0.254: c60,5 r1.5
  circle w0.254: c5,5 r1.5
  lines w0.2: 0,5 0,60.025 ; 0,5 ccw(c5,5) 5,0 60,0 ccw(c60,5) 65,5 ; 0,60 cw(c5,60) 5,65 60.025,65 ; 60,65 cw(c60,60) 65,60 ; 65,4.975 65,60.025

## Other copper
Bottom Layer:
  rectangle net NetC10_2: 40.342,18.147 41.612,20.459

## Silkscreen, mask and mechanical layers (free items; w line width, h text height)
Top Overlay:
  circle w1: c5,60 r2
  circle w1: c60,60 r2
  circle w1: c60,5 r2
  circle w1: c5,5 r2
  text "EN" at 54.104,14.129 h1
  text "GND" at 54.029,12.604 h1
  text "12V" at 50.971,10.904 h1 r90
  text "GND" at 47.971,10.854 h1 r90
  text "HV+" at 11.396,4.004 h1 r90
  text "HV-" at 19.034,3.981 h1 r90
  text "VIN-" at 41.89,3.623 h1 r90
  text "VIN+" at 29.171,3.529 h1 r90
  text "VIN-" at 36.838,3.52 h1 r90
  text "VIN-" at 39.422,3.52 h1 r90
  text "VIN+" at 26.521,3.404 h1 r90
Top 3D Body:
  region: 49.387,3.185 49.524,3.094 49.615,2.958 49.647,2.797 49.639,1.972 49.647,1.972 49.615,1.811 49.524,1.674 49.387,1.583 49.226,1.551 48.401,1.559 48.401,1.551 48.24,1.583 48.104,1.674 48.013,1.811 47.981,1.972 47.989,2.797 47.981,2.797 48.013,2.958 48.104,3.094 48.24,3.185 48.401,3.217 48.401,3.209 49.226,3.209 49.226,3.217
Bottom 3D Body:
  circle w0.013: c38.654,2.384 r0.825
  circle w0.013: c36.114,2.384 r0.825
  circle w0.013: c41.194,2.384 r0.825
  circle w0.013: c33.574,2.384 r0.825
  circle w0.013: c43.734,2.384 r0.825
  circle w0.013: c10.714,2.384 r0.825
  circle w0.013: c8.174,2.384 r0.825
  circle w0.013: c5.634,2.384 r0.825
  circle w0.013: c46.274,2.384 r0.825
  circle w0.013: c18.334,2.384 r0.825
  circle w0.013: c20.874,2.384 r0.825
  circle w0.013: c28.494,2.384 r0.825
  circle w0.013: c13.254,2.384 r0.825
  circle w0.013: c25.954,2.384 r0.825
  circle w0.013: c23.414,2.384 r0.825
  circle w0.013: c31.034,2.384 r0.825
  circle w0.013: c15.794,2.384 r0.825
  circle w0.013: c13.254,2.384 r0.825
  circle w0.013: c15.794,2.384 r0.825
  circle w0.013: c18.334,2.384 r0.825
  circle w0.013: c20.874,2.384 r0.825
  circle w0.013: c23.414,2.384 r0.825
  circle w0.013: c25.954,2.384 r0.825
  circle w0.013: c28.494,2.384 r0.825
  circle w0.013: c31.034,2.384 r0.825
  circle w0.013: c33.574,2.384 r0.825
  circle w0.013: c43.734,2.384 r0.825
  circle w0.013: c46.274,2.384 r0.825
  circle w0.013: c41.194,2.384 r0.825
  circle w0.013: c38.654,2.384 r0.825
  circle w0.013: c36.114,2.384 r0.825
  circle w0.013: c10.714,2.384 r0.825
  circle w0.013: c8.174,2.384 r0.825
  circle w0.013: c5.634,2.384 r0.825
  region: 49.387,3.185 49.524,3.094 49.615,2.958 49.647,2.797 49.639,1.972 49.647,1.972 49.615,1.811 49.524,1.674 49.387,1.583 49.226,1.551 48.401,1.559 48.401,1.551 48.24,1.583 48.104,1.674 48.013,1.811 47.981,1.972 47.989,2.797 47.981,2.797 48.013,2.958 48.104,3.094 48.24,3.185 48.401,3.217 48.401,3.209 49.226,3.209 49.226,3.217
Bottom Assembly:
  circle w0.013: c13.254,2.384 r0.825
  circle w0.013: c15.794,2.384 r0.825
  circle w0.013: c18.334,2.384 r0.825
  circle w0.013: c20.874,2.384 r0.825
  circle w0.013: c23.414,2.384 r0.825
  circle w0.013: c25.954,2.384 r0.825
  circle w0.013: c28.494,2.384 r0.825
  circle w0.013: c31.034,2.384 r0.825
  circle w0.013: c33.574,2.384 r0.825
  circle w0.013: c43.734,2.384 r0.825
  circle w0.013: c46.274,2.384 r0.825
  circle w0.013: c41.194,2.384 r0.825
  circle w0.013: c38.654,2.384 r0.825
  circle w0.013: c36.114,2.384 r0.825
  circle w0.013: c10.714,2.384 r0.825
  circle w0.013: c8.174,2.384 r0.825
  circle w0.013: c5.634,2.384 r0.825
  region: 49.387,3.185 49.524,3.094 49.615,2.958 49.647,2.797 49.639,1.972 49.647,1.972 49.615,1.811 49.524,1.674 49.387,1.583 49.226,1.551 48.401,1.559 48.401,1.551 48.24,1.583 48.104,1.674 48.013,1.811 47.981,1.972 47.989,2.797 47.981,2.797 48.013,2.958 48.104,3.094 48.24,3.185 48.401,3.217 48.401,3.209 49.226,3.209 49.226,3.217

## Text inside footprints (layer, text, board x,y; h text height)
D1: Top Overlay "- AC AC +" at 10.396,43.779 h1.52 r90
P1: Top Overlay "18" at 8.04,1.125 h1.02